# Altium PCB DRS4-PCB.PcbDoc (part 15 of 15)
Units mil, origin at the board's own origin, x right, y up, seen from the top; angles counter-clockwise.
Board outline 12350 x 7411.06 mil, 12 copper layers (Top Layer, Ground Layer 2, Signal Layer 3, Signal Layer 4, Ground Layer 5, Power Layer 6, Ground Layer 7, Ground Layer 8, Power Layer 9, Power Layer 10, Ground Layer 11, Bottom Layer), stack 61.6 mil thick; 1264 components, 1069 nets, 3958 pads, 2329 vias.
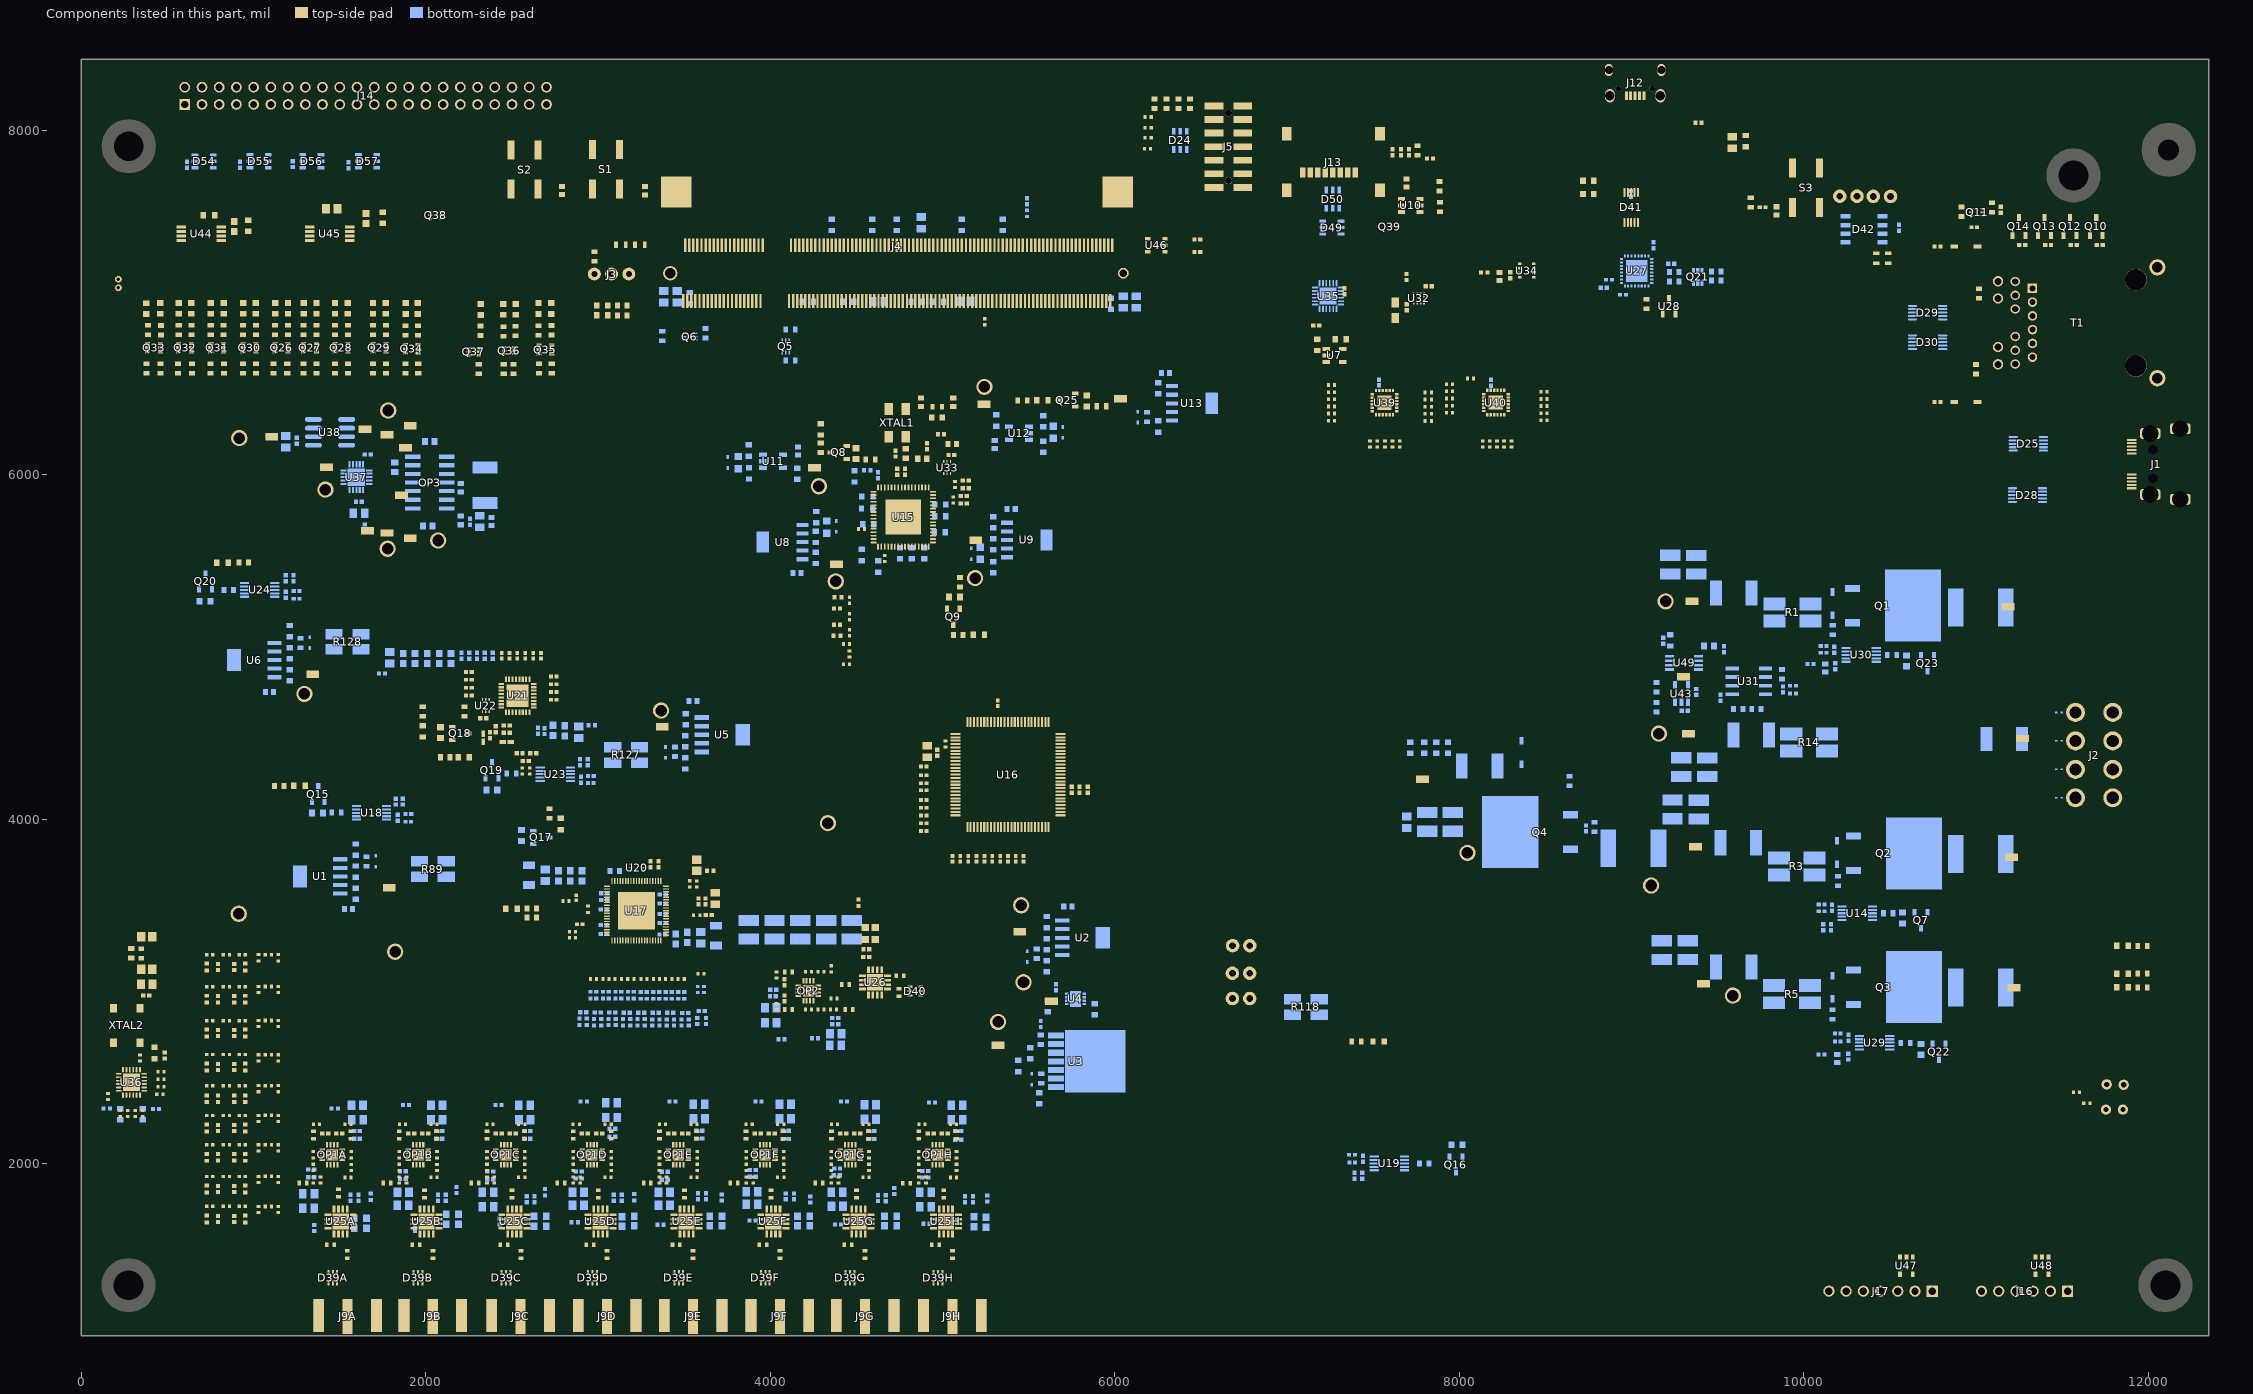
[diagram p25: the components of this part, seen from the top]

## Polygon pours and split planes (outlines as drawn) (continued)
CLK_VDDO_2V5 on Power Layer 10 "Power Layer 9-CLK_VDDO_2V5" (solid, pour order 32): 4526.59,5922.96 5257.22,5922.96 5257.22,5212.82 4519.37,5212.82
4V on Power Layer 10 "Power Layer 9-4V" (solid, pour order 10): 20 vertices, not listed, extent 1368.08,2089.94 9452.93,5446.27
-1V on Power Layer 10 "Power Layer 9--1V" (solid, pour order 12): 24 vertices, not listed, extent 1300.45,1477.08 10070.86,5832.52
3V3_SD on Power Layer 10 "3V3_SD_L10_P2634" (solid, pour order 2634): 7445,7822 7460,7837 7602.5,7837 7627.5,7812 7627.5,7481.5 7606,7460 7519,7460 7476,7460 7445,7491
VCC_1V8_PS on Power Layer 10 "Power Layer 9-VCC_1V8_PS" (solid, pour order 1234): 4948.31,7035 5240.37,7035 5417.64,7035 5417.64,7449.25 4619.53,7449.25 4619.53,7035
USB_VCC on Power Layer 10 "Power Layer 9-USB_VCC" (solid, remove dead copper, pour order 52): 19 vertices, not listed, extent 8634.8,6892.5 9812.35,8101.79
VBUS on Power Layer 10 "Power Layer 9-VBUS" (solid, pour order 1016): 9226.75,7713.93 9044.71,7713.93 9015.69,7684.92 9016.27,7684.34 9016.27,7578.65 8900.81,7578.65 8900.81,8033.22 9226.75,8033.22
+4V_IN on Power Layer 10 "Power Layer 9-+4V_IN" (solid, pour order 2542): 11234.3,5021.46 11271.62,4984.14 11271.62,4603.92 11317.82,4557.72 11724.45,4557.72 11724.65,5257.26 11476.39,5505.51 10994.09,5505.51 10994.09,5021.46
-1V_IN on Power Layer 10 "Power Layer 9-No Net 4" (solid, pour order 2548): 11310.03,4540.72 11209.59,4641.16 11035.29,4641.16 11035.29,4540.72 11035.29,4303.54 11141.04,4303.54 11231.85,4394.35 11722.59,4394.36 11722.59,4540.72
+3V3_SPM15 on Power Layer 10 "Power Layer 9-No Net 3" (solid, pour order 2546): 11723.21,4376.29 11246.37,4376.29 10956.99,4086.91 10956.99,3543 11283.18,3543.01 11283.18,4133.9 11348.54,4199.26 11723.21,4199.26
+3V3_IN on Power Layer 10 "Power Layer 9-No Net 1" (solid, pour order 2544): 11376.67,4184.39 11723.52,4184.4 11723.52,2979.84 11485.86,2742.17 10984.25,2742.17 10984.25,3318.52 11236.28,3318.52 11306.78,3389.01 11306.78,4119.39
3V3_LED on Power Layer 10 "Top Layer-3V3_LED" (solid, pour order 852): 181.84,6678.23 181.84,7097.31 191.69,7107.17 258.23,7107.17 258.53,7106.87 258.53,6682.47 262.88,6678.23 2163.86,6678.23 2163.86,6818.87 2580.19,6818.87 2580.19,6577.94 2163.86,6577.94 181.24,6577.94 181.23,6678.23
FTDI_1V8 on Power Layer 10 "Power Layer 9-FTDI_1V8" (solid, pour order 74): 9136.35,7009.21 9091.07,7008.89 8990.82,7109.13 8839.25,7109.13 8839.25,6984.72 8955.19,6984.72 9046.16,6893.75 9136.36,6893.75
FTDI_EXT_1V8 on Power Layer 10 "Power Layer 9-FTDI_EXT_1V8 1" (solid, pour order 1892): 10258.31,7661.61 10355.15,7661.61 10355.15,7551.7 10375.58,7531.27 10606.02,7531.27 10615.83,7521.46 10615.83,7438.92 10610.92,7434.01 10275.95,7434.01 10258.31,7448.96
TRB_GND on Bottom Solder " " (solid): 3113.45,3576.97 3330.8,3576.97 3331.22,3576.55 3331.22,3356.69 3114.31,3356.69
no net on Top Solder " " (solid): 6601.74,6353.35 6519.11,6353.35 6519.11,6477.08 6601.74,6477.23
no net on Top Solder " " (solid): 3914.76,5666.3 3997.4,5666.3 3997.4,5542.56 3914.76,5542.42
no net on Top Solder " " (solid): 5643.45,5563.01 5560.81,5563.01 5560.81,5686.74 5643.45,5686.89
TRB_GND on Top Solder " " (solid): 3800.63,4550.33 3883.27,4550.33 3883.27,4426.6 3800.63,4426.45
TRB_GND on Top Solder " " (solid): 5712.65,2777.83 6064.94,2777.83 6064.94,2419.56 5712.65,2418.93
TRB_GND on Top Solder " " (solid): 5889.06,3372.86 5971.69,3372.86 5971.69,3249.12 5889.06,3248.98
TRB_GND on Top Solder " " (solid): 5733.98,3005.83 5807.07,3005.83 5807.07,2907.74 5733.98,2907.61
no net on Top Solder " " (solid): 845.84,4985.57 928.47,4985.57 928.47,4861.83 845.84,4861.68
TRB_GND on Top Solder " " (solid): 1227.35,3730.11 1309.99,3730.11 1309.99,3606.38 1227.35,3606.23
TRB_GND on Ground Layer 11 "Ground Layer 2-GND 1" (solid, pour order 2589): 24 vertices, not listed, extent 24.31,1024.51 12324.52,8389.08
NEUTRAL on Ground Layer 11 "Ground Layer 2-SH" (solid, pour order 2591): 8829.76,8185.1 8803.31,8211.56 8394.25,8211.56 8394.25,8389.31 12295.03,8389.31 12295.03,6493 11928.8,6493 11928.8,8185.09 11928.83,8211.56 9251.45,8211.56 9224.99,8185.1 9140.76,8185.1 9082.64,8244.01 8966.84,8244.01 8907.93,8185.1
TRB_GND on Ground Layer 8 "Ground Layer 2-GND 1" (solid, pour order 2594): 24 vertices, not listed, extent 24.31,1024.51 12324.52,8389.08
NEUTRAL on Ground Layer 8 "Ground Layer 2-SH" (solid, pour order 2595): 8829.76,8185.1 8803.31,8211.56 8394.25,8211.56 8394.25,8389.31 12295.03,8389.31 12295.03,6492 11928.8,6492 11928.8,8185.09 11928.83,8211.56 9251.45,8211.56 9224.99,8185.1 9140.76,8185.1 9082.64,8244.01 8966.84,8244.01 8907.93,8185.1
TRB_GND on Ground Layer 7 "Ground Layer 2-GND 1" (solid, pour order 2598): 24 vertices, not listed, extent 24.31,1024.51 12324.52,8389.08
NEUTRAL on Ground Layer 7 "Ground Layer 2-SH" (solid, pour order 2599): 8829.76,8185.1 8803.31,8211.56 8394.25,8211.56 8394.25,8389.31 12295.03,8389.31 12295.03,6491 11928.8,6491 11928.8,8185.09 11928.83,8211.56 9251.45,8211.56 9224.99,8185.1 9140.76,8185.1 9082.64,8244.01 8966.84,8244.01 8907.93,8185.1
TRB_GND on Ground Layer 5 "Ground Layer 2-GND 1" (solid, pour order 2602): 25 vertices, not listed, extent 24.31,1024.51 12324.52,8389.08
NEUTRAL on Ground Layer 5 "Ground Layer 2-SH" (solid, pour order 2603): 11928.8,6487 12295.03,6487 12295.03,8389.31 8394.25,8389.31 8394.25,8211.56 8803.31,8211.56 8829.76,8185.1 8907.93,8185.1 8966.84,8244.01 9082.64,8244.01 9140.76,8185.1 9224.99,8185.1 9251.45,8211.56 11928.83,8211.56 11928.8,8185.09
TRB_GND on Ground Layer 2 "Ground Layer 2-GND 1" (solid, pour order 2606): 25 vertices, not listed, extent 24.31,1024.51 12324.52,8389.08
NEUTRAL on Ground Layer 2 "Ground Layer 2-SH" (solid, pour order 2607): 8829.76,8185.1 8803.31,8211.56 8394.25,8211.56 8394.25,8389.31 12295.03,8389.31 12295.03,6486 11928.8,6486 11928.8,8185.09 11928.83,8211.56 9251.45,8211.56 9224.99,8185.1 9140.76,8185.1 9082.64,8244.01 8966.84,8244.01 8907.93,8185.1
3.3V on Power Layer 6 "Power Layer 6-3.3V" (solid, pour order 2645): 28 vertices, not listed, extent 24.28,1257.79 11511.67,7906.37
-1V_IN on Power Layer 6 " " (solid, pour order 2617): 11723.47,4541.42 11044.04,4541.43 11042.94,4542.53 11042.94,4330.21 11171.66,4330.21 11238.88,4397.43 11723.47,4397.43
+4V_IN on Power Layer 6 "Power Layer 9-+4V_IN" (solid, pour order 2616): 11046,5458 11093,5505.51 11476.39,5505.51 11724.65,5257.26 11724.45,4557.32 11318.22,4557.32 11271.62,4603.92 11271.62,4984.14 11234.3,5021.46 11046,5021.46
+3V3_SPM15 on Power Layer 6 "Power Layer 9-No Net 3" (solid, pour order 2615): 11723.21,4379.56 11249.64,4379.56 10994.09,4124.02 10994.09,3543 11723.22,3543.01
TRB_GND on Signal Layer 3 "TRB_GND_L03_P2630" (solid, pour order 2630): 6585.8,6862.26 6643.54,6920 6756,6920 6813,6862.26 6813,6514.89 5397,6514.89 5397,6862.26
TRB_GND on Signal Layer 3 "TRB_GND_L03_P2628" (solid, pour order 2628): 7043,7719 7501.67,7719 7501.67,7105 7042.16,7105

## Other copper
Ground Layer 2:
  drawing of 488 lines, arcs and shapes, not listed

## Silkscreen, mask and mechanical layers (free items; w line width, h text height)
Top Overlay:
  drawing of 175 lines, arcs and shapes, not listed
  text "JTAG" at 6569,8256 h60
  text "GND" at 424.83,8016.06 h24
  text "POR" at 2549,8008 h25
  text "PS SRST" at 2975.1,8001.72 h25
  text "TDI" at 6417.66,7970.37 h39.37
  text "GPIO9_P" at 2319,7933 h24 r52.42
  text "GPIO0_P" at 602.74,7930.95 h24 r90
  text "GPIO0_N" at 693.75,7925.95 h24 r90
  text "GPIO9_N" at 2413,7922 h24 r54.94
  text "TDO" at 6401.63,7889.16 h39.37
  text "TCK" at 6401.63,7812.44 h39.37
  text "TMS" at 6401.67,7735.58 h39.37
  text "RX" at 8553.98,7694.65 h23.62
  text "TRB_GND" at 10230.22,7688.25 h50 r90
  text "FTDI_EXT_1V8" at 10318.88,7688.25 h50 r90
  text "RX_EXT" at 10416.53,7688.25 h50 r90
  text "TX_EXT" at 10514.02,7688.25 h50 r90
  text "Neutral" at 11887.38,7663.2 h47.24
  text "TX" at 8553.98,7614.14 h23.62
  text "Attach Neutral Screw ^" at 11703.57,7566.45 h23.62
  text "VCC 1V8" at 6365.77,7515.26 h39.37
  text "BOOT MODE(J6)  NC   = SD CARD / 1-2   = SD CARD / 2-3   = QSPI" at 2932.99,7420.45 h39.37
  text "I2C" at 6379,7368 h60 r270
  text "LED1" at 10610.53,7314.75 h39.37
  text "TCA_0-5_EN" at 2746.21,7100.14 h23.62 r90
  text "HMC_EN7" at 389.33,7092.05 h23.62 r90
  text "HMC_VCTL7" at 479.44,7092.05 h23.62 r90
  text "HMC_EN6" at 583,7092.05 h23.62 r90
  text "HMC_VCTL6" at 658.06,7092.05 h23.62 r90
  text "HMC_EN5" at 766.7,7092.05 h23.62 r90
  text "HMC_VCTL5" at 847.62,7092.05 h23.62 r90
  text "HMC_EN4" at 953.28,7092.05 h23.62 r90
  text "HMC_VCTL4" at 1024.04,7092.05 h23.62 r90
  text "HMC_EN0" at 1139.57,7092.05 h23.62 r90
  text "HMC_VCTL0" at 1210.11,7092.05 h23.62 r90
  text "HMC_EN1" at 1310.2,7092.05 h23.62 r90
  text "HMC_VCTL1" at 1375.45,7092.05 h23.62 r90
  text "HMC_EN2" at 1492.63,7092.05 h23.62 r90
  text "HMC_VCTL2" at 1564.66,7092.05 h23.62 r90
  text "HMC_EN3" at 1712.51,7092.05 h23.62 r90
  text "HMC_VCTL3" at 1783.27,7092.05 h23.62 r90
  text "Si5395_FINC" at 1894.93,7092.05 h23.62 r90
  text "Si5395_FDEC" at 1983.73,7092.05 h23.62 r90
  text "VCAL_RESET" at 2342.95,7092.05 h23.62 r90
  text "Si5395_OE" at 2468.97,7092.05 h23.62 r90
  text "Si5395_RESET" at 2542.67,7092.05 h23.62 r90
  text "TCA_6-8_EN" at 2680.55,7092.05 h23.62 r90
  text "1" at 2974.11,7088.86 h23.62
  text "2" at 3078.32,7088.86 h23.62
  text "3" at 3176.23,7088.86 h23.62
  text "PWR GOOD" at 2771.83,7001.42 h39.37
  text "PL DONE" at 2767.24,6933.9 h39.37
  text "(J15)3V3 LED / Short  = ON / Open  = OFF" at 58.63,6923.23 h39.37
  text "CLK SYNTH TEMP ALERT" at 5404.08,6604.09 h23.62
  text "0x75" at 8276,6575 h25
  text "0x77" at 7636,6573 h25
  text "GND" at 5316,6543 h25 r270
  text "LED2" at 10611.98,6414.4 h39.37
  text "GND" at 1707,6349 h25 r90
  text "GND" at 2172,6312 h25
  text "50 MHz TCXO" at 4388.32,6307.26 h23.62
  text "CLK SYNTH INTERRUPT" at 3793.07,6248.64 h23.62
  text "GND" at 838,6181 h25 r90
  text "J1 (CAT6) PINOUT" at 10770.97,6175.15 h45
  text "AD5675 TEST POINTS" at 2623.22,6149.99 h39.37
  text "GND" at 4355.92,5964.38 h25 r270
  text "GND" at 1336,5893 h25 r90
  text "TP76 - AD5675_VDD / TP77 - DRS IN OFFSET - / TP78 - DRS IN OFFSET + / TP79 - THS4509 CM / TP80 - DRS BIAS / TP81 - ADR4520BRZ (VREF VCC) / TP82 - AD5675 2V08 VREF       TP40 - (OP-AMP) DRS OFFSET - / TP42 - (OP-AMP) DRS OFFSET + / TP41 - (OP-AMP) THS4509 CM" at 2613,5768 h39.37
  text "ADC / CLK ->" at 3928,5678 h39.37
  text "1=MCLK_N / 2=MCLK_P / 3=MTD2_N / 4=MTD2_P / 5=TRB_3V3 / 6=TRB_GND / 7=MTD1_P / 8=MTD1_N / 9=MTD0_P / 10=MTD0_N" at 10798,5663.03 h45
  text "GND" at 1905,5560 h25
  text "GND" at 4491.78,5543.12 h25
  text "ADC DVDD ALERT" at 766.83,5540.63 h23.62
  text "C" at 561.47,5526.54 h700 r90
  text "GND" at 4692.08,5514.78 h25
  text "DRS  / CLK ->" at 4065,5505 h39.37
  text "TEST POINTS" at 5416.09,5481.32 h39.37
  text "GND" at 5155,5478 h25
  text "DRS4_PLLLCK" at 1779.17,5463 h25 r270
  text "DRS4_DTAP" at 1843.17,5463 h25 r270
  text "DRS4_A3" at 1909.17,5463 h25 r270
  text "DRS4_A2" at 1965.17,5463 h25 r270
  text "GND" at 4453.92,5421.09 h25 r270
  text "DRS4" at 2035,5383 h50 r270
  text "GND" at 4879.91,5283.92 h25
  text "TP25 - CLK_VDD_1V8 / TP29 - CLK_VDDO_2V5 / TP27 - CLK_VDDO_2V5 / TP31 - CLK_VDDA_3V3 / TP33 - CLK_VDDS_3V3" at 5408.79,5225.56 h39.37
  text "CH9 CLK ->" at 4657.78,5224.94 h39.37 r90
  text "Loss of Lock" at 5037.17,4999.25 h23.62
  text "4V" at 11530,4852.95 h47.24
  text "GND" at 1370,4764 h25 r270
  text "-1V" at 11042.04,4720.34 h47.24
  text "GND" at 3415,4703 h25
  text "UCLA" at 708.44,4695 h140 r90
  text "AD9245 ADC TEST POINTS" at 3569.12,4674.51 h39.37
  text "TP18 3V_ADC_ANA" at 3560.7,4594.22 h39.37
  text "GAPS TOF / 475 Portola Plaza / Los Angeles, CA / Ismael Garcia:    igarcia91@g.ucla.edu / Andrew Peck:     andrew.peck@cern.ch / Sean Quinn:      spq@ucla.edu" at 547.65,4579.38 h24 r90
  text "AD9245 ADC TEST POINTS" at 898.7,4534.79 h39.37
  text "GND" at 2788,4515 h25
  text "MUX+" at 2618,4493 h39.37 r45
  text "MUX-" at 2654,4475 h39.37 r45
  text "TP20 2V5_ADC_DIG" at 890.27,4454.5 h39.37
  text "TEST POINTS" at 8540.43,4442.08 h39.37
  text "ADC TEMP ALERT" at 1685.69,4412 h23.62
  text "DRS4" at 3908,4407 h50
  text "DRS4_SRCLK" at 4107.17,4371 h25 r270
  text "DRS4_SRIN" at 4155.17,4371 h25 r270
  text "DRS4_SROUT" at 4200.17,4370 h25 r270
  text "DRS4_RESET" at 3671,4334.17 h25
  text "GND" at 3671,4289 h25
  text "TP2:     3V5 / TP23:  -1V5 / TP4:     3V3_MARS / TP8:     3V3 / TP29:   MAX1165 VREF" at 8535,4252 h38
  text "DRS4 AVDD Alert" at 1059.07,4249.61 h23.62
  text "DRS4_A1" at 3671,4247.17 h25
  text "3V3 MARS" at 10788.67,4242.95 h47.24
  text "ADC AVDD ALERT" at 2100.35,4226.79 h23.62
  text "B" at 710.6,4197.96 h300 r90
  text "GAPS" at 507.87,4158.51 h500 r90
  text "DRS4_A0" at 3670,4144.17 h25
  text "DRS4_RSRLOAD" at 3672,4094.17 h25
  text "GND" at 4419,4079 h25
  text "DRS4_WSROUT" at 3671,3894.17 h25
  text "DRS4 AVDD TEST POINTS" at 1723.44,3885.38 h39.37
  text "GND" at 4381,3863 h25
  text "DRS4 TEMP ALERT" at 2512.5,3826.64 h23.62
  text "TP10 - DRS_AVDD" at 1715.02,3805.09 h39.37
  text "3V3" at 11604.36,3756.05 h47.24 r90
  text "G" at 3533,3726 h25 r90
  text "TRB_GND" at 11820.98,3696.55 h47.24 r90
  text "O-OFS" at 3497,3668 h25 r90
  text "GND" at 3730,3622 h25
  text "GND" at 5418,3582 h25
  text "TRB_GND" at 807.02,3573.08 h40
  text "TP11" at 1685.09,3309.63 h25
  text "4V ALERT" at 11458.41,3257.59 h23.62
  text "TPS79525DCQR / Short  = ON / Open   = OFF" at 6861.21,3247.87 h43.31
  text "TRB_GND" at 1580.74,3224.58 h25
  text "TC_8" at 1198.94,3207.85 h25
  text "DRS4" at 2115,3165 h50 r90
  text "3V3 MARS ALERT" at 11311.28,3097.94 h24
  text "ADM7170ACPZ / Short  = ON / Open   = OFF" at 6861.21,3072.22 h43.31
  text "DRS4_WSRIN" at 1917.83,3070.25 h25 r90
  text "DRS4_DENABLE" at 1967.83,3070.25 h25 r90
  text "DRS4_DWRITE" at 2017.83,3070.25 h25 r90
  text "TRB_GND / VIAS" at 2654.2,3061.41 h39.37
  text "8" at 3539.57,3048.97 h40
  text "4" at 3218.43,3033.79 h40
  text "6" at 3365.5,3033.8 h40
  text "7" at 3439.04,3034.12 h40
  text "1" at 3002.88,3033.46 h40
  text "3" at 3147.59,3033.12 h40
  text "5" at 3293.65,3033.13 h40
  text "2" at 3075.07,3032.45 h40
  text "0" at 2922.58,3029.42 h40
  text "TC_7" at 1198.94,3023.87 h25
  text "3V3 ALERT" at 11434.79,3017.29 h23.62
  text "FE VIAS / {P,N}" at 2686.83,2976.96 h39.37
  text "GND" at 5395,2969 h25 r90
  text "MIC69502WR / Short  = ON / Open   = OFF" at 6861.21,2902.88 h43.31
  text "TC_6" at 1198.94,2828.82 h25
  text "GND" at 5253,2798 h25 r90
  text "I2C TEST POINTS" at 11711.62,2782.6 h39.37
  text "TP72 - SDA / TP73 - SCL" at 11771,2654 h39.37
  text "TC_5" at 1198.94,2629.79 h25
  text "DRS4 DVDD ALERT" at 7340.3,2615.22 h39.37
  text "GND" at 11949,2489 h25 r270
  text "TC_4" at 1198.94,2445.35 h25
  text "GND" at 11951,2351 h25 r270
  text "TC_3" at 1198.94,2277.28 h25
  text "DRS4 DVDD TEST POINTS" at 5345.2,2233.1 h39.37
  text "TC_2" at 1138.92,2135.5 h25
  text "TP12 - DRS4_DVDD_Texas_Instru. / TP14 - DRS4_DVDD_Linear_Tech. / TP16 - DRS4_DVDD_Microchip" at 5338.93,2081.59 h39.37
  text "TC_1" at 1142.32,1958.07 h25
  text "TC_0" at 1166.1,1691.54 h25
  text "LOCAL TRIGGER I2C" at 10191,1549.67 h60
  text "POWER BOARD I2C" at 11028,1549.67 h60
  text "IRQ" at 10361,1134.45 h39.37 r90
  text "SCL" at 10660,1126.85 h39.37 r90
  text "CLR" at 10461.96,1124.33 h39.37 r90
  text "SDA" at 10557,1121.68 h39.37 r90
  text "SCL" at 11447,1115.17 h39.37 r90
  text "SDA" at 11343,1110 h39.37 r90
  text "TRB_GND" at 11047,1109 h39.37
  text "EXT 3V3" at 10764,1055.94 h39.37 r90
  text "EXT 3V3" at 11548,1044.26 h39.37 r90
  text "TRB_GND" at 10155,1027 h39.37 r90
  text "TRB_GND" at 10258,1027 h39.37 r90
Bottom Overlay:
  lines w10: 10198.15,5038.56 10198.15,5022.33 ; 10214.38,5022.33 10198.15,5022.33 ; 10223.92,5034.65 10210.46,5034.65 10198.15,5022.33
Top Solder:
  region: 4672.76,5538.98 4672.76,5565.41 4654.89,5565.41 4654.89,5538.98
  rectangle: 8966.18,7120.15 9091.42,7245.06
  region: 8391.92,8386.71 12294.93,8386.71 12295,6386 12250.65,6386 12250.65,8338.42 8391.92,8339.38
Bottom Solder:
  rectangle: 2469.05,4652.16 2597.99,4778.9
Mechanical 2:
  lines w0.5: 0.25,20.23 148.54,20.23 ; 0.25,62.34 148.54,62.34 ; 28.03,80.58 109.01,1.02 ; 69.57,41.5 76.03,41.5 81.49,52.01 ; 1.28,21.85 1.28,60.73 147.72,60.73 147.72,21.85 1.28,21.85
Outline:
  the board outline again, w5

## Text inside footprints (layer, text, board x,y; h text height)
D5: Bottom Overlay "K" at 10136.58,5345.33 h20 r90; Mechanical 13 "*" at 10191.57,5309.72 h50 r90
D6: Bottom Overlay "K" at 10162.32,3899.86 h20 r90; Mechanical 13 "*" at 10217.32,3864.25 h50 r90
D7: Bottom Overlay "K" at 10136.58,3118.64 h20 r90; Mechanical 13 "*" at 10191.57,3083.03 h50 r90
D8: Bottom Overlay "K" at 1742.27,3687.46 h11.81
D9: Bottom Overlay "K" at 5463.95,3239.55 h11.81
D10: Bottom Overlay "K" at 5490.37,2528.08 h20
D11: Bottom Overlay "K" at 3377.78,4425.36 h11.81
D12: Bottom Overlay "K" at 1364.4,4947.54 h20
D14: Bottom Overlay "K" at 4405.72,5651.69 h11.81
D15: Bottom Overlay "K" at 5147.61,5598.28 h11.81
D17: Bottom Overlay "K" at 3780.19,6025.53 h11.81
D18: Bottom Overlay "K" at 5681.43,6303.25 h11.81
D19: Bottom Overlay "K" at 8390.24,4292.4 h20 r270; Mechanical 13 "*" at 8335.24,4328.01 h50 r270
D20: Top Overlay "K" at 3072.51,7019.52 h11.81
D21: Bottom Overlay "K" at 6119.03,6387.73 h11.81
D22: Top Overlay "K" at 3074.31,6871.27 h11.81
D23: Top Overlay "K" at 11881.58,3129.9 h25
D26: Top Overlay "K" at 4235.86,6314.52 h20
D27: Top Overlay "K" at 5251.77,5109.51 h11.81
D31: Top Overlay "K" at 10836.54,7249.45 h40; Mechanical 13 "*" at 10881.32,7299.93 h50
D32: Top Overlay "K" at 10857.56,6479.14 h40; Mechanical 13 "*" at 10881.32,6396.34 h50
D33: Top Overlay "K" at 1224.7,4140.81 h20
D34: Top Overlay "K" at 7460.17,2663.6 h20
D35: Top Overlay "K" at 2808.17,4038.23 h20 r90
D36: Top Overlay "K" at 1925.85,4551.93 h20
D37: Top Overlay "K" at 869.24,5438.18 h20
D38: Top Overlay "K" at 2173.49,4308.73 h20
D43: Top Overlay "K" at 8815.53,7733.89 h40
D44: Top Overlay "K" at 8815.53,7646.79 h40
D45: Top Overlay "K" at 11881.58,3051.05 h25
D46: Top Overlay "K" at 11881.58,3292.79 h25
D48: Top Overlay "K" at 5532.15,6366.88 h30
D59: Top Overlay "K" at 1229.01,6895.63 h20 r90
D60: Top Overlay "K" at 1154.61,6895.63 h20 r90
D61: Top Overlay "K" at 1394.06,6895.63 h20 r90
D62: Top Overlay "K" at 1320.16,6895.63 h20 r90
D63: Top Overlay "K" at 1575.83,6895.63 h20 r90
D64: Top Overlay "K" at 1502.48,6895.63 h20 r90
D65: Top Overlay "K" at 1795.24,6895.63 h20 r90
D66: Top Overlay "K" at 1723.03,6895.63 h20 r90
D67: Top Overlay "K" at 1043.39,6895.63 h20 r90
D68: Top Overlay "K" at 965.25,6895.63 h20 r90
D69: Top Overlay "K" at 853.46,6895.63 h20 r90
D70: Top Overlay "K" at 779.7,6895.63 h20 r90
D71: Top Overlay "K" at 663.86,6895.63 h20 r90
D72: Top Overlay "K" at 592.55,6895.63 h20 r90
D73: Top Overlay "K" at 484.81,6895.63 h20 r90
D74: Top Overlay "K" at 404.91,6895.63 h20 r90
D75: Top Overlay "K" at 1980.24,6895.63 h20 r90
D76: Top Overlay "K" at 1908.54,6895.63 h20 r90
D77: Top Overlay "K" at 2707.36,6897.87 h20 r90
D78: Top Overlay "K" at 2632.61,6897.87 h20 r90
D79: Top Overlay "K" at 2420.45,7019.21 h20 r90
D80: Top Overlay "K" at 2491.47,7018.86 h20 r90
D81: Top Overlay "K" at 2288.35,7017.87 h20 r90
J4: Top Overlay "2" at 3342.01,7306.12 h23.62; Top Overlay "1" at 3342.01,6983.12 h23.62; Mechanical 13 "2" at 3342.01,7306.12 h50; Mechanical 13 "1" at 3342.01,6983.12 h50
OP1A: Mechanical 13 "*" at 1510.91,2038.03 h11.81 r180
OP1B: Mechanical 13 "*" at 2009.66,2038.03 h11.81 r180
OP1C: Mechanical 13 "*" at 2519.11,2038.03 h11.81 r180
OP1D: Mechanical 13 "*" at 3019.26,2038.03 h11.81 r180
OP1E: Mechanical 13 "*" at 3520.17,2038.03 h11.81 r180
OP1F: Mechanical 13 "*" at 4023.24,2038.03 h11.81 r180
OP1G: Mechanical 13 "*" at 4518.04,2038.03 h11.81 r180
OP1H: Mechanical 13 "*" at 5025.56,2038.03 h11.81 r180
OP2: Mechanical 13 "*" at 4235,3058.88 h11.81 r270
OP3: Mechanical 13 "*" at 2097.92,6073.97 h50
U10: Mechanical 13 "*" at 7749.72,7557 h50 r180
U21: Mechanical 13 "*" at 2623.72,4662.99 h11.81 r180
U25A: Mechanical 13 "*" at 1531.42,1730.33 h50 r270
U25B: Mechanical 13 "*" at 2030.12,1730.33 h50 r270
U25C: Mechanical 13 "*" at 2539.76,1730.33 h50 r270
U25D: Mechanical 13 "*" at 3039.72,1730.33 h50 r270
U25E: Mechanical 13 "*" at 3539.57,1730.33 h50 r270
U25F: Mechanical 13 "*" at 4043.28,1730.33 h50 r270
U25G: Mechanical 13 "*" at 4537.79,1730.33 h50 r270
U25H: Mechanical 13 "*" at 5045.32,1730.33 h50 r270
U26: Mechanical 13 "*" at 4541.93,3078.93 h50
U37: Mechanical 13 "*" at 1620.49,5916.4 h11.81 r270